# Altium PCB PCB3.PcbDoc (part 3 of 8) (continued)
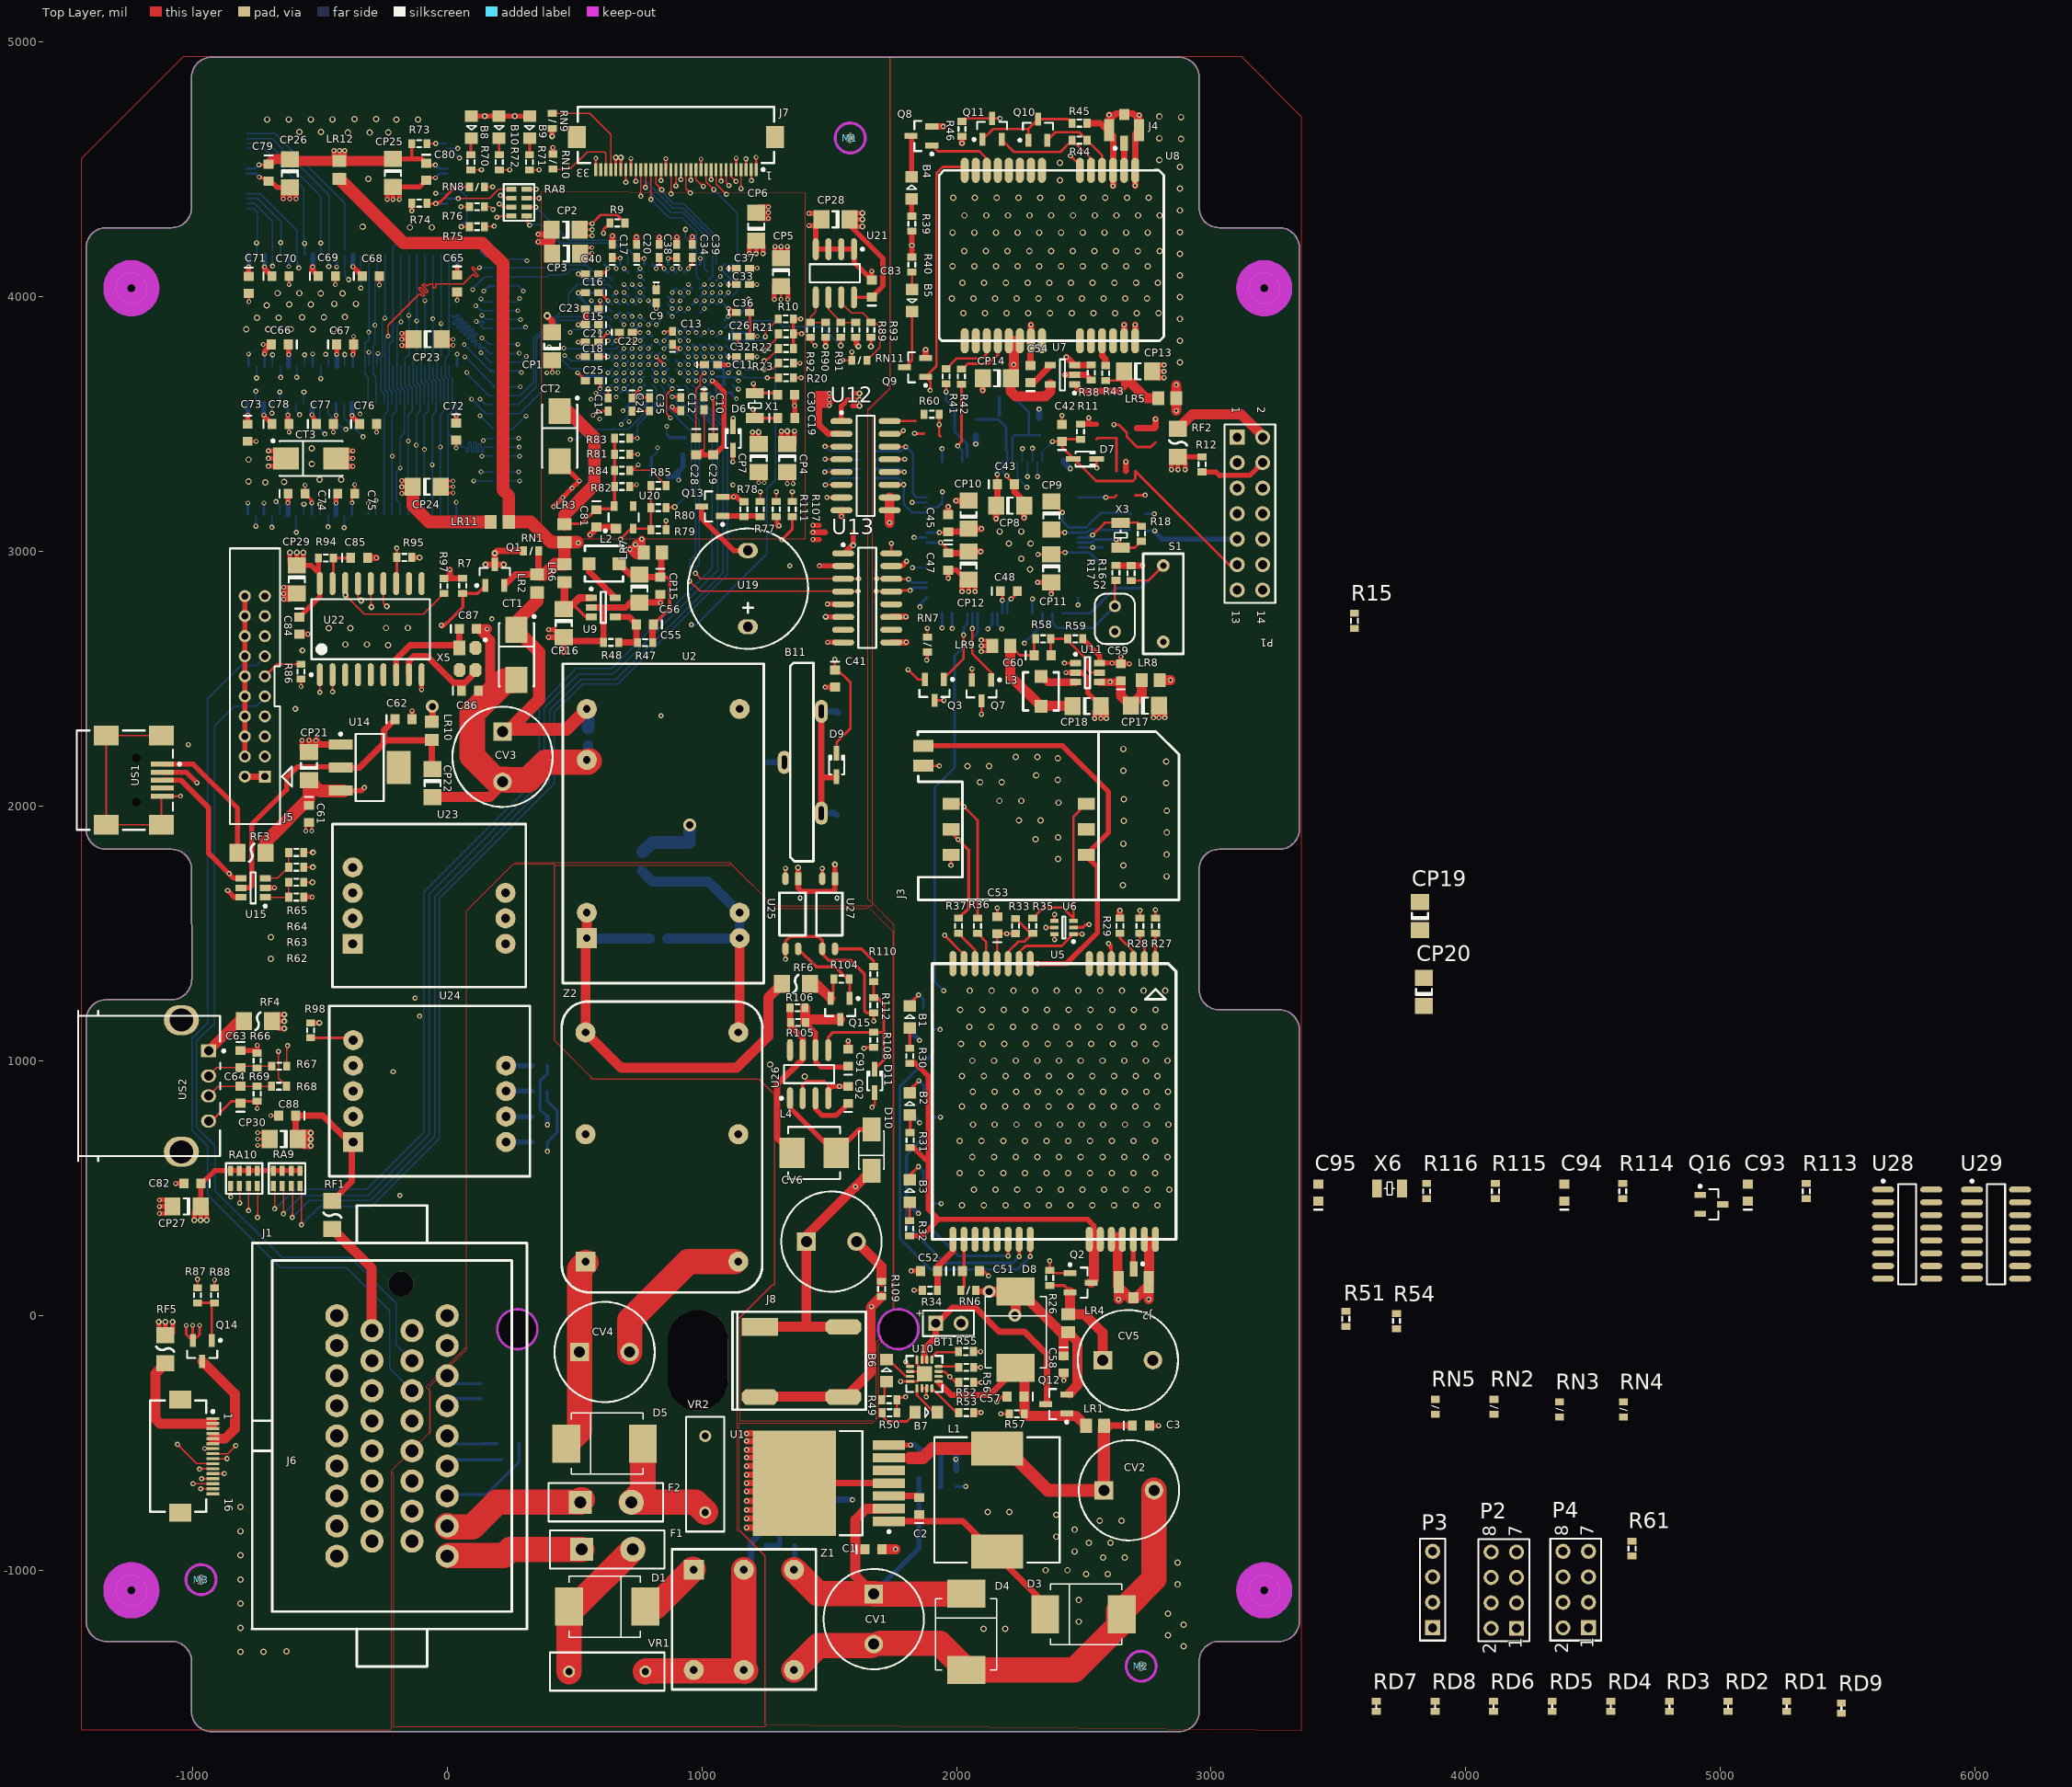
[diagram p0: Top Layer view]
## Nets (pads, with @x,y where several pads share a name; then routed paths per layer and width w, separated by ;. In a path a pad name is that pad's centre, name@x,y a point inside that pad or via, vN(x,y) a via of type N, cw(c..) or ccw(c..) an arc to the next point about the centre after c; other vN are vias at no path point) (continued)
  Bottom Layer w20: C31.2@866.14,3294.29 887.8,3294.29 902.07,3308.56 ; v1(908.46,3280.51) 908.46,3302.17 902.07,3308.56 ; C27.2@927.14,3379.37 927.14,3333.64 902.07,3308.56
  Bottom Layer w25: B11.2@1259.46,2172.85 1323.44,2172.85 B11.2@1323.82,2173.23
  Bottom Layer w39.37: C8.2@554.13,2240.16 554.13,2188.98 U2.16@558.07,2185.04
  Bottom Layer w50: 768.7,1820.87 806.1,1858.27 CM1.1@951.77,1858.27 v5@951.77,1923.23
  other v1: -952.8,-522.66 -515.75,2257.87 757.85,3859.69 820.84,3954.17 1187.99,3968.5 1184.03,3991.58
  other v3: -811,-1321 -721,-1321 -631.22,-1319 -811,-1226.13 -811,-1131.26 -811,-1036.39 -811,-941.52 -811,-846.65 -811,-751.78 -692,1401 -692,1486.22 -232,2632 -399.63,2635 -314.41,2635 -465,2699 -379.78,2699 -240,2700 -154.78,2700 -713.58,3272 -640.78,3273 -779.86,3275.78 -501.22,3282 -416,3282 -531,3344 -779.86,3361 -532,3405.22 -789,3873 -703.78,3873 -614,3873 -528.78,3873 -444.88,3872.25 -747,3918 -661.78,3918 -569,3919.82 -483.78,3919.82 -401.91,3921 -708.94,3967 -620.38,3971 -535.16,3971 -443,3972.88 -357.78,3972.88 -496.4,4013.23 -411.17,4013.23 -666,4014.76 -580.78,4014.76 -146.22,4273 -61,4273 -332,4275.59 -309,4463.58 -390,4645 -304.78,4645 -231,4646 -581,4648 -495.78,4648 -200,4696 -114.78,4696 -707,4697 -621.78,4697 -535.43,4697 -450.21,4697 -364,4698 -278.78,4698
  other v5: 952.76,1926.18
DPSH: J7.30 RN9.2 | length 399.5
  Top Layer w5: RN9.2@415.35,4720.47 560.04,4720.47 642.56,4637.95 J7.30@642.56,4499.87
DPSV: J7.31 RN10.1 | length 296.8
  Top Layer w5: RN10.1@421.26,4500.98 481.3,4500.98 550.2,4569.88 617.13,4569.88 622.88,4564.13 J7.31@622.88,4499.87
DREQ: U3.K5
DTR: Q3.3 U5.5 | length 1469.3
  Top Layer w10: Q3.3@1913.39,2415.35 v2(1950.79,2415.35) ; v2@1947.25,2411.82 ccw(c1938.72,2403.28) 1938.72,2415.35 ccw(c1938.72,2427.43) v2@1947.25,2418.89 ; v2@2593.91,1457.09 cw(c2559.23,1422.42) U5.5@2608.27,1422.42 ; v2@2599.04,1455.89 cw(c2601.92,1447.4) 2608.27,1453.74 ; v2@2599.41,1462.6 2608.27,1453.74 ; v2@2600.98,1464.17 cw(c2583.37,1446.56) 2608.27,1446.56 ; U5.5@2608.27,1381.89 2608.27,1453.74
  ADDR w10: v2@1950.79,2410.35 cw(c1950.79,2398.28) 1959.32,2406.82 cw(c1967.86,2415.35) v2@1955.79,2415.35 ; v2(1950.79,2415.35) 2597.44,1768.7 v2(2597.44,1460.63) ; v2@2593.91,1464.17 ccw(c2585.37,1472.7) 2597.44,1472.7 ccw(c2609.51,1472.7) v2@2600.98,1464.17
EGND: C5.2 C6.2 C89.2 C90.2 CV4.2 J1.18 J1.19 J1.28 R6.1 R103.2 U23.8 U24.10 VR1.2 VR2.2 Z1.2 Z1.4 Z1.5 Z2.2 Z2.4 Z2.5 | length 2508.6
  Top Layer w100: CV4.2@716.89,-143.15 716.89,-18.35 946.85,211.61 Z2.4@1127.95,211.61 ; VR1.2@778.46,-1398.15 780.95,-1395.67 Z1.5@1165.31,-1395.67 ; Z1.2@1165.31,-998.15 Z1.5@1165.31,-1391.85 Z1.5@1165.31,-1394.68 ; Z1.5@1167.32,-1397.64 1165.35,-1395.67 Z1.5@1165.31,-1395.63 ; Z1.5@1171.26,-1393.7 1172.24,-1394.68 Z1.5@1165.31,-1394.68 ; Z1.5@1165.31,-1395.63 1164.37,-1394.68 Z1.5@1165.31,-1394.68 ; Z1.5@1165.31,-1395.63 Z1.5@1165.31,-1394.68
  Bottom Layer w12: J1.28@19.69,-702.76 154.53,-702.76 281.5,-575.79 C89.2@281.5,-502.95
  Bottom Layer w20: U24.10@235.24,681.1 R103.2@334.65,681.1
  Bottom Layer w25: Z1.2@1160.43,-1000 1192.91,-967.52 1192.91,-891.73 1238.19,-846.46 1238.19,-680.12 1332.68,-585.63 C6.2@1438.98,-585.63
EINT0/GPF0: J6.8 RA9.8 U3.N17 | length 5568.8
  Top Layer w5: J6.8@-920.28,-542.32 -861.22,-542.32 v2(-829.72,-510.83) ; v2@-837.22,-510.83 cw(c-855.33,-510.83) -842.53,-523.63 cw(c-829.72,-536.43) v2@-829.72,-518.33 ; v2@-577.8,361.94 ccw(c-590.61,374.74) -572.5,374.74 ccw(c-554.39,374.74) v2@-567.2,361.94 ; v2(-572.5,356.63) RA9.8@-572.5,505.43
  ADDR w5: v2@-835.03,-505.52 ccw(c-847.83,-492.72) -829.72,-492.72 ccw(c-811.62,-492.72) v2@-824.42,-505.52 ; v2(-829.72,-510.83) -829.72,-304.13 -572.83,-47.24 v2@-572.83,354.33 ; v2@-577.8,351.33 cw(c-589.8,339.34) -572.83,339.34 ; -572.83,337.72 cw(c-553.59,337.72) v2@-567.2,351.33
  Bottom Layer w5: v2@-572.5,364.13 ccw(c-572.5,382.24) -559.7,369.44 ccw(c-546.89,356.63) v2@-565,356.63 ; v2@-571.85,357.28 -500.98,428.15 -298.23,428.15 -31.5,694.88 -31.5,1637.79 421.26,2090.55 421.26,2369.09 532.48,2480.32 670.72,2480.32 1100.37,2909.96 1100.37,3490.59 994.07,3596.89 U3.N17@994.07,3623.47
EINT1/GPF1: J6.9 RA9.7 U3.M16 | length 5618.1
  Top Layer w5: J6.9@-920.28,-562.01 v2(-864.17,-562.01) ; v2@-869.48,-567.31 ccw(c-882.28,-580.11) -882.28,-562.01 ccw(c-882.28,-543.9) v2@-869.48,-556.7 ; v2@-613.6,390.16 ccw(c-628.33,404.89) -607.5,404.89 ; v2(-608.3,384.86) -607.5,385.66 RA9.7@-607.5,505.43 ; -607.5,401.04 ccw(c-592.12,401.04) v2@-602.99,390.16
  ADDR w5: v2@-869.48,-556.7 ccw(c-880.47,-545.71) -864.93,-545.71 ; v2@-864.93,-561.26 -864.93,-289.14 -609.25,-33.46 v2@-609.25,385.83 ; -864.93,-542.09 ccw(c-844.26,-542.09) v2@-858.87,-556.7 ; v2@-613.6,379.56 cw(c-624.1,369.06) -609.25,369.06 ; -609.25,364.45 cw(c-587.89,364.45) v2@-602.99,379.56 ; v2@-608.3,383.83 v2(-608.3,384.86)
  DATA w5: v2@-864.93,-561.26 v2(-864.17,-562.01)
  Bottom Layer w5: v2@-609.25,384.84 -542.32,451.77 -299.66,451.77 -49.21,702.22 -49.21,1645.13 403.54,2097.89 403.54,2376.43 525.14,2498.03 663.39,2498.03 1082.65,2917.3 1082.65,3489.61 978.32,3593.94 978.32,3639.21 U3.M16@962.57,3654.96 ; v2@-608.3,392.36 ccw(c-608.3,408.21) -597.09,397 ; v2@-600.8,384.86 cw(c-580.43,384.86) -594.83,399.26
EINT2/GPF2: J6.10 RA10.5 U3.L13 | length 5809.8
  Top Layer w5: v2@-1059.06,-513.41 cw(c-1059.06,-531.51) -1046.25,-518.71 cw(c-1033.45,-505.91) v2@-1051.56,-505.91 ; v2(-1059.06,-505.91) -983.27,-581.69 J6.10@-920.28,-581.69 ; v2@-855.05,471.19 ccw(c-867.85,483.99) -849.74,483.99 ccw(c-831.64,483.99) v2@-844.44,471.19 ; v2(-849.74,465.89) RA10.5@-849.74,505.43
  ADDR w5: v2@-1064.36,-500.6 ccw(c-1074.79,-490.18) -1060.04,-490.18 ; v2@-1060.04,-504.92 -1060.04,-173.23 -849.74,37.07 v2(-849.74,465.89) ; -1060.04,-485.42 ccw(c-1038.57,-485.42) v2@-1053.75,-500.6 ; v2@-855.05,460.58 cw(c-867.85,447.78) -849.74,447.78 cw(c-831.64,447.78) v2@-844.44,460.58 ; v2@-852.36,468.5 -788.39,532.48 -295.89,532.48 -87.6,740.77 -87.6,1670.28 374.97,2132.85 374.97,2491.58 965.53,3082.13 965.53,3548.66 931.08,3583.11 931.08,3717.95 v1(946.82,3733.7) ; v2@-847.24,465.89 cw(c-828.57,465.89) -841.77,479.09 ; v2@-842.24,465.89 cw(c-811.5,465.89) -833.24,487.63 ; v1@940.32,3733.7 cw(c924.63,3733.7) 935.73,3722.61 cw(c946.82,3711.51) v1@946.82,3727.2
  Bottom Layer w10: U3.L13@931.08,3749.45 v1(946.82,3733.7) ; v1@942.82,3733.7 ccw(c933.17,3733.7) 940,3740.53 ccw(c946.82,3747.36) v1@946.82,3737.7
EINT3/GPF3: J6.11 RA10.8 U3.M15 | length 5744.9
  Top Layer w5: v2(-972.49,-603.38) -970.49,-601.38 J6.11@-920.28,-601.38 ; v2@-970.72,-605.14 cw(c-961.63,-614.24) -961.63,-601.38 ; v2@-967.19,-608.68 cw(c-949.56,-626.31) -949.56,-601.38 ; v2@-967.19,-598.07 ccw(c-959.21,-590.1) -959.21,-601.38 ; v2@-750.05,390.48 ccw(c-762.85,403.28) -744.74,403.28 ccw(c-726.64,403.28) v2@-739.44,390.48 ; v2(-744.74,385.18) RA10.8@-744.74,505.43
  ADDR w5: v2@-977.79,-598.07 ccw(c-990.6,-585.27) -972.49,-585.27 ccw(c-954.38,-585.27) v2@-967.19,-598.07 ; v2(-972.49,-603.38) -972.49,-260.87 -947.83,-236.22 ; -948.33,-235.73 -744.74,-32.15 v2(-744.74,385.18) -672.24,457.68 -250.98,457.68 -2.95,705.71 -2.95,1662.4 434.03,2099.38 434.03,2435.47 1012.77,3014.21 1012.77,3560.47 978.32,3594.92 v1(978.32,3670.71) ; v2@-750.05,379.87 cw(c-762.85,367.07) -744.74,367.07 cw(c-726.64,367.07) v2@-739.44,379.87 ; v2@-744.74,392.68 ccw(c-744.74,410.78) -731.94,397.98 ccw(c-719.14,385.18) v2@-737.24,385.18 ; v1@973.72,3666.11 cw(c962.63,3655.02) 978.32,3655.02 cw(c994.01,3655.02) v1@982.92,3666.11
  Bottom Layer w10: U3.M15@962.57,3686.46 v1(978.32,3670.71) ; v1@974.32,3670.71 ccw(c964.66,3670.71) 971.49,3677.54 ccw(c978.32,3684.37) v1@978.32,3674.71
EINT4/GPF4: J6.12 RA9.6 U3.M17 | length 5647.9
  Top Layer w5: J6.12@-920.28,-621.06 v2(-875,-621.06) ; v2@-880.3,-626.37 ccw(c-893.11,-639.17) -893.11,-621.06 ccw(c-893.11,-602.96) v2@-880.3,-615.76 ; v2@-647.8,404.14 ccw(c-660.61,416.95) -642.5,416.95 ccw(c-624.39,416.95) v2@-637.2,404.14 ; v2(-642.5,398.84) RA9.6@-642.5,505.43
  ADDR w5: v2@-882.5,-621.06 ccw(c-900.61,-621.06) -887.8,-608.26 ccw(c-875,-595.46) v2@-875,-613.56 ; v2(-875,-621.06) -902.56,-593.5 -902.56,-266.73 -642.72,-6.89 v2@-642.72,405.51 ; v2@-647.8,393.54 cw(c-660.08,381.25) -642.72,381.25 ; -642.72,380.21 cw(c-623.87,380.21) v2@-637.2,393.54
  Bottom Layer w5: v2(-642.5,398.84) -569.88,471.46 -310.04,471.46 -277.56,503.94 ; v2@-642.5,406.34 ccw(c-642.5,424.45) -629.7,411.64 ccw(c-616.89,398.84) v2@-635,398.84 ; -280.79,501.26 -70.87,711.19 -70.87,1654.1 381.89,2106.86 381.89,2385.4 516.17,2519.69 654.42,2519.69 1061,2926.27 1061,3491.58 962.57,3590 U3.M17@962.57,3623.47
EINT5/GPF5: J6.13 RA10.7 U3.L14 | length 5799.7
  Top Layer w5: v2(-964.57,-640.75) J6.13@-920.28,-640.75 ; v2@-959.27,-646.05 cw(c-946.46,-658.85) -946.46,-640.75 cw(c-946.46,-622.64) v2@-959.27,-635.44 ; v2@-784.61,416.94 ccw(c-796.37,428.69) -779.74,428.69 ; -779.74,430.79 ccw(c-760.16,430.79) v2@-774.01,416.94 ; RA10.7@-779.74,505.43 -779.74,411.63 v2(-779.31,411.63)
  ADDR w5: v2@-972.07,-640.75 ccw(c-990.17,-640.75) -977.37,-627.94 ccw(c-964.57,-615.14) v2@-964.57,-633.25 ; v2(-964.57,-640.75) -997.05,-608.27 -997.05,-239.17 -779.53,-21.65 v2@-779.53,411.42 ; v2@-784.61,406.33 cw(c-796.89,394.05) -779.53,394.05 ; -779.53,393 cw(c-760.68,393) v2@-774.01,406.33 ; v2(-779.31,411.63) -711.61,479.33 -269.73,479.33 -31.52,717.54 -31.52,1665.33 412.38,2109.23 412.38,2440.39 991.12,3019.14 991.12,3563.43 962.57,3591.97 962.57,3686.46 v1(946.82,3702.21) ; v2@-779.31,419.13 ccw(c-779.31,437.24) -766.51,424.44 ccw(c-753.7,411.63) v2@-771.81,411.63 ; v1@946.82,3695.71 cw(c946.82,3680.01) 957.92,3691.11 cw(c969.02,3702.21) v1@953.32,3702.21
  Bottom Layer w10: U3.L14@931.08,3717.95 v1(946.82,3702.21) ; v1@942.82,3702.21 ccw(c933.17,3702.21) 940,3709.03 ccw(c946.82,3715.86) v1@946.82,3706.21
EINT6/GPF6: J6.14 RA10.6 U3.L15 | length 5820.9
  Top Layer w5: v2(-998.03,-660.43) J6.14@-920.28,-660.43 ; v2@-992.73,-665.74 cw(c-979.92,-678.54) -979.92,-660.43 cw(c-979.92,-642.33) v2@-992.73,-655.13 ; v2@-820.05,447.02 ccw(c-832.85,459.82) -814.74,459.82 ccw(c-796.64,459.82) v2@-809.44,447.02 ; v2(-814.74,441.71) RA10.6@-814.74,505.43
  ADDR w5: v2@-1005.53,-660.43 ccw(c-1023.64,-660.43) -1010.83,-647.63 ccw(c-998.03,-634.83) v2@-998.03,-652.93 ; v2(-998.03,-660.43) -1021.65,-636.81 -1021.65,-206.69 -817.91,-2.95 v2@-817.91,442.91 ; v2@-820.05,436.41 cw(c-825.2,431.26) -817.91,431.26 ; -817.91,415.95 cw(c-788.99,415.95) v2@-809.44,436.41 ; -817.91,428.03 cw(c-801.06,428.03) v2@-812.98,439.94 ; v2(-814.74,441.71) -743.66,512.8 -273.85,512.8 ; v2@-814.74,449.21 ccw(c-814.74,467.32) -801.94,454.52 ccw(c-789.14,441.71) v2@-807.24,441.71 ; -272.64,512.8 -273.85,512.8 ; v1@942.23,3666.11 cw(c931.13,3655.02) 946.82,3655.02 cw(c962.52,3655.02) v1@951.42,3666.11 ; v1(946.82,3670.71) 946.82,3589.02 982.12,3553.73 982.12,3049.51 393.68,2461.06 393.68,2118.08 -58.1,1666.31 -58.1,728.55 -273.85,512.8
  Bottom Layer w10: U3.L15@931.08,3686.46 v1(946.82,3670.71) ; v1@942.82,3670.71 ccw(c933.17,3670.71) 940,3677.54 ccw(c946.82,3684.37) v1@946.82,3674.71
EINT7/GPF7: J6.15 RA9.5 U3.L16 | length 5744.9
  Top Layer w5: v2(-967.52,-680.12) J6.15@-920.28,-680.12 ; v2@-962.21,-685.42 cw(c-949.41,-698.22) -949.41,-680.12 cw(c-949.41,-662.01) v2@-962.21,-674.81 ; v2@-682.8,423.95 ccw(c-695.61,436.75) -677.5,436.75 ccw(c-659.39,436.75) v2@-672.2,423.95 ; v2(-677.5,418.64) RA9.5@-677.5,505.43
  ADDR w5: v2@-967.52,-681.1 -929.13,-642.72 -929.13,-255.91 -677.17,-3.94 v2@-677.17,417.32 ; v2@-967.52,-672.62 ccw(c-967.52,-652.13) -953.03,-666.62 ; v2@-960.02,-680.12 cw(c-944.29,-680.12) -955.41,-668.99 ; v2@-682.8,413.34 cw(c-696.41,399.73) -677.17,399.73 ; -677.17,401.34 cw(c-660.2,401.34) v2@-672.2,413.34
  Bottom Layer w5: v2@-677.5,421.14 ccw(c-677.5,433.55) -668.73,424.77 ; v2@-677.5,426.14 ccw(c-677.5,450.62) -660.19,433.31 ; v2@-677.17,418.31 v2@-676.18,419.29 ; v2@-675.2,418.31 -598.43,495.08 -316.21,495.08 -91.54,719.75 -91.54,1662.66 361.22,2115.42 361.22,2393.96 507.61,2540.35 645.86,2540.35 1040.33,2934.83 1040.33,3495.51 946.83,3589.02 946.83,3639.21 U3.L16@931.08,3654.96 ; v2@-670,418.64 cw(c-658.26,418.64) -666.56,426.94
EINT8/GPG0: U3.N9
EINT9/GPG1: R95.2 U3.T9 U22.12 | length 3100
  Top Layer w10: v2@-201.4,3010.22 cw(c-209.93,3001.68) -197.86,3001.68 cw(c-185.79,3001.68) v2@-194.32,3010.22 ; U22.12@-200.22,2874.45 -197.86,2876.81 R95.2@-197.86,2976.81 v2(-197.86,3013.75)
  ADDR w5: v2@-198.82,3013.78 -102.36,3013.78 v2(176,2735.42) ; v2@-192.56,3008.45 cw(c-179.69,2995.58) -179.69,3013.78 ; v2@-192.56,3019.06 ccw(c-179.82,3031.8) -179.82,3013.78 ; v2@168.5,2735.42 ccw(c150.39,2735.42) 163.19,2748.23 ccw(c176,2761.03) v2@176,2742.92
  DATA w5: v2@176,2727.92 cw(c176,2706.99) 190.8,2721.79 ; v2(176,2735.42) 177.17,2735.42 200.79,2711.8 v2@958.66,2711.8 ; v2@183.5,2735.42 ccw(c198.78,2735.42) 187.97,2724.62 ; 938.63,2711.8 ccw(c938.63,2732.63) v2@953.36,2717.9 ; 942.48,2711.8 cw(c942.48,2696.42) v2@953.36,2707.3
  Bottom Layer w5: v2@957.68,2712.6 v2(958.66,2712.6) 978.35,2712.6 1255.91,2990.16 1255.91,3248.03 1289.86,3281.99 1289.86,3856.79 1255.47,3891.18 1104.31,3891.18 U3.T9@1088.56,3875.43 ; v2@963.96,2707.3 cw(c976.77,2694.49) 976.77,2712.6 cw(c976.77,2730.71) v2@963.96,2717.9
EINT17/GPG9: R65.2 U3.M11 | length 3256.8
  Top Layer w5: R65.2@-563.02,1818.35 v4(-526.6,1818.35) ; v4@-533.18,1811.76 ccw(c-549.08,1795.87) -549.08,1818.35 ccw(c-549.08,1840.83) v4@-533.18,1824.93
  DATA w5: v4@-526.6,1827.66 ccw(c-526.6,1843.01) -515.75,1832.15 ; v4@-522.66,1825.24 -357.74,1990.16 440.94,1990.16 993.82,2543.03 993.82,3781.19 v1(978.32,3796.69) ; v4@-522.29,1818.35 cw(c-504.75,1818.35) -517.15,1830.75 ; v4@-517.29,1818.35 cw(c-487.68,1818.35) -508.62,1839.28 ; v1@978.32,3790.19 cw(c978.32,3774.5) 989.42,3785.6 cw(c1000.51,3796.69) v1@984.82,3796.69
  Bottom Layer w10: U3.M11@962.57,3812.44 v1(978.32,3796.69) ; v1@974.32,3796.69 ccw(c964.66,3796.69) 971.49,3803.52 ccw(c978.32,3810.35) v1@978.32,3800.69
EINT18/GPG10: RN11.2 U3.N10 | length 818.4
  Top Layer w5: v2(1552.93,3750.76) RN11.2@1589.35,3750.76 v2(1589.35,3784.23) ; v2@1558.23,3745.46 cw(c1571.04,3732.66) 1571.04,3750.76 cw(c1571.04,3768.87) v2@1558.23,3756.07 ; v2@1584.04,3778.93 cw(c1571.24,3766.12) 1589.35,3766.12 cw(c1607.45,3766.12) v2@1594.65,3778.93
  ADDR w5: v1(1009.82,3859.69) 1025.32,3875.19 1341.35,3875.19 1465.77,3750.76 v2(1552.93,3750.76) ; v1@1009.82,3866.19 ccw(c1009.82,3881.88) 1020.91,3870.78 ccw(c1032.01,3859.69) v1@1016.32,3859.69 ; v2@1547.63,3745.46 ccw(c1534.82,3732.66) 1534.82,3750.76 ccw(c1534.82,3768.87) v2@1547.63,3756.07
  Bottom Layer w10: U3.N10@994.07,3843.94 v1(1009.82,3859.69) ; 1002.99,3852.85 ccw(c996.16,3859.69) v1@1005.82,3859.69 ; 1002.99,3852.86 cw(c1009.82,3846.03) v1@1009.82,3855.69
EMERG_OFF: U5.15
FALE: RA8.4 U18.17 | length 518.2
  Top Layer w5: v2(194.89,4312.22) 200.25,4317.58 RA8.4@252.48,4317.58 ; v2@196.66,4310.45 cw(c213.87,4293.24) 213.87,4317.58 ; v2@200.19,4306.91 cw(c225.94,4281.17) 225.94,4317.58
  ADDR w5: v2@-45.28,4399 cw(c-45.28,4380.89) -32.47,4393.69 cw(c-19.67,4406.5) v2@-37.78,4406.5 ; v2(-45.28,4406.5) 49,4312.22 v2(194.89,4312.22) ; v2@189.59,4306.91 ccw(c176.78,4294.11) 176.78,4312.22 ccw(c176.78,4330.32) v2@189.59,4317.52
  Bottom Layer w5: v2(-45.28,4406.5) -44.35,4405.57 U18.17@0.46,4405.57 ; v2@-39.97,4401.19 cw(c-29.4,4390.62) -29.4,4405.57 ; v2@-39.97,4411.8 ccw(c-24.94,4426.83) -24.94,4405.57
FCLE: R75.1 U18.16 | length 317.8
  Top Layer w5: v2(55.12,4275.59) R75.1@87.6,4275.59 ; v2@60.42,4270.29 cw(c73.22,4257.48) 73.22,4275.59 cw(c73.22,4293.7) v2@60.42,4280.89
  Bottom Layer w5: U18.16@0.46,4425.26 44.23,4425.26 78,4391.49 78,4301.43 v2@52.17,4275.59 ; v2@55.12,4283.09 ccw(c55.12,4294.07) 62.88,4286.31 ; v2@57.62,4275.59 cw(c70.78,4275.59) 61.47,4284.9 ; v2@62.62,4275.59 cw(c87.85,4275.59) 70.01,4293.43
FNFCE: RA8.2 U18.9 | length 441.7
  Top Layer w5: v2(209.65,4398.62) 220.69,4387.58 RA8.2@252.48,4387.58 ; v2@210.47,4391.17 cw(c211.84,4378.73) 220.69,4387.58 cw(c229.53,4396.42) v2@217.1,4397.8
  ADDR w5: v2@48.23,4537.78 cw(c48.23,4519.67) 61.03,4532.47 cw(c73.83,4545.28) v2@55.73,4545.28 ; v2(48.23,4545.28) 66.44,4527.07 66.44,4511.32 179.13,4398.62 v2(209.65,4398.62) ; v2@204.34,4393.32 ccw(c191.54,4380.52) 191.54,4398.62 ccw(c191.54,4416.73) v2@204.34,4403.93
  Bottom Layer w5: U18.9@0.46,4563.06 30.45,4563.06 v2(48.23,4545.28) ; v2@40.73,4545.28 ccw(c22.62,4545.28) 35.42,4558.08 ccw(c48.23,4570.88) v2@48.23,4552.78
FNFRE: RA8.3 U18.8 | length 537.3
  Top Layer w5: v2(204.72,4365.16) 217.3,4352.58 ; v2@204.82,4357.66 cw(c205.04,4340.31) 217.3,4352.58 ; v2@212.22,4365.06 ccw(c229.57,4364.84) 217.3,4352.58 ; RA8.3@252.48,4352.58 217.3,4352.58
  ADDR w5: v2@33.78,4582.74 cw(c15.67,4582.74) 28.47,4569.94 cw(c41.28,4557.13) v2@41.28,4575.24 ; v2(41.28,4582.74) 27.56,4569.02 27.56,4492.13 154.53,4365.16 v2(204.72,4365.16) ; v2@199.42,4359.85 ccw(c186.62,4347.05) 186.62,4365.16 ccw(c186.62,4383.26) v2@199.42,4370.46
  Bottom Layer w5: U18.8@0.46,4582.74 v2(41.28,4582.74) 44.23,4582.74 v2@45.28,4581.69 ; v2@35.97,4577.44 ccw(c23.17,4564.63) 23.17,4582.74 ccw(c23.17,4600.85) v2@35.97,4588.04
FNFWE: RA8.1 U18.18 | length 314.6
  Top Layer w5: v2(43.24,4385.89) 165.42,4385.89 202.11,4422.58 RA8.1@252.48,4422.58 ; v2@48.55,4380.59 cw(c61.35,4367.78) 61.35,4385.89 cw(c61.35,4404) v2@48.55,4391.19
  Bottom Layer w10: U18.18@0.46,4385.89 v2(43.24,4385.89) ; v2@39.71,4382.35 ccw(c31.17,4373.82) 31.17,4385.89 ccw(c31.17,4397.96) v2@39.71,4389.42
FRNB: R73.2 R76.1 U18.7 | length 540.7
  Top Layer w5: R73.2@-79.72,4601.38 v2@-47.24,4601.38 ; -65.85,4601.38 ccw(c-65.85,4623.06) v2@-50.52,4607.73 ; -60.79,4601.38 cw(c-60.79,4586.85) v2@-50.52,4597.12 ; v2(54.63,4353.84) R76.1@87.6,4353.84 ; v2@59.93,4348.54 cw(c72.73,4335.73) 72.73,4353.84 cw(c72.73,4371.95) v2@59.93,4359.14
  ADDR w5: v2@-45.21,4594.93 cw(c-45.21,4576.82) -32.41,4589.62 cw(c-19.61,4602.43) v2@-37.71,4602.43 ; v2(-45.21,4602.43) 0.46,4556.75 0.46,4394.22 40.85,4353.84 ; v2@48.33,4349.77 ccw(c40.85,4344.93) 40.85,4353.84 ; v2@48.33,4357.91 cw(c40.85,4362.75) 40.85,4353.84 ; v2(54.63,4353.84) 40.85,4353.84
  Bottom Layer w5: v2(-45.21,4602.43) U18.7@0.46,4602.43 ; v2@-39.91,4597.12 cw(c-27.11,4584.32) -27.11,4602.43 cw(c-27.11,4620.53) v2@-39.91,4607.73